# Altium PCB PuttPilot-Master.PcbDoc (part 2 of 2)
Units mm, origin at the board's own origin, x right, y up, seen from the top; angles counter-clockwise.
Board outline 150 x 80 mm, 4 copper layers (L01-SIG, L02-GND, L03-PWR, L04-SIG), stack 0.603 mm thick; 225 components, 120 nets, 597 pads, 726 vias.
Unrouted connection lines stored in the file: 140.
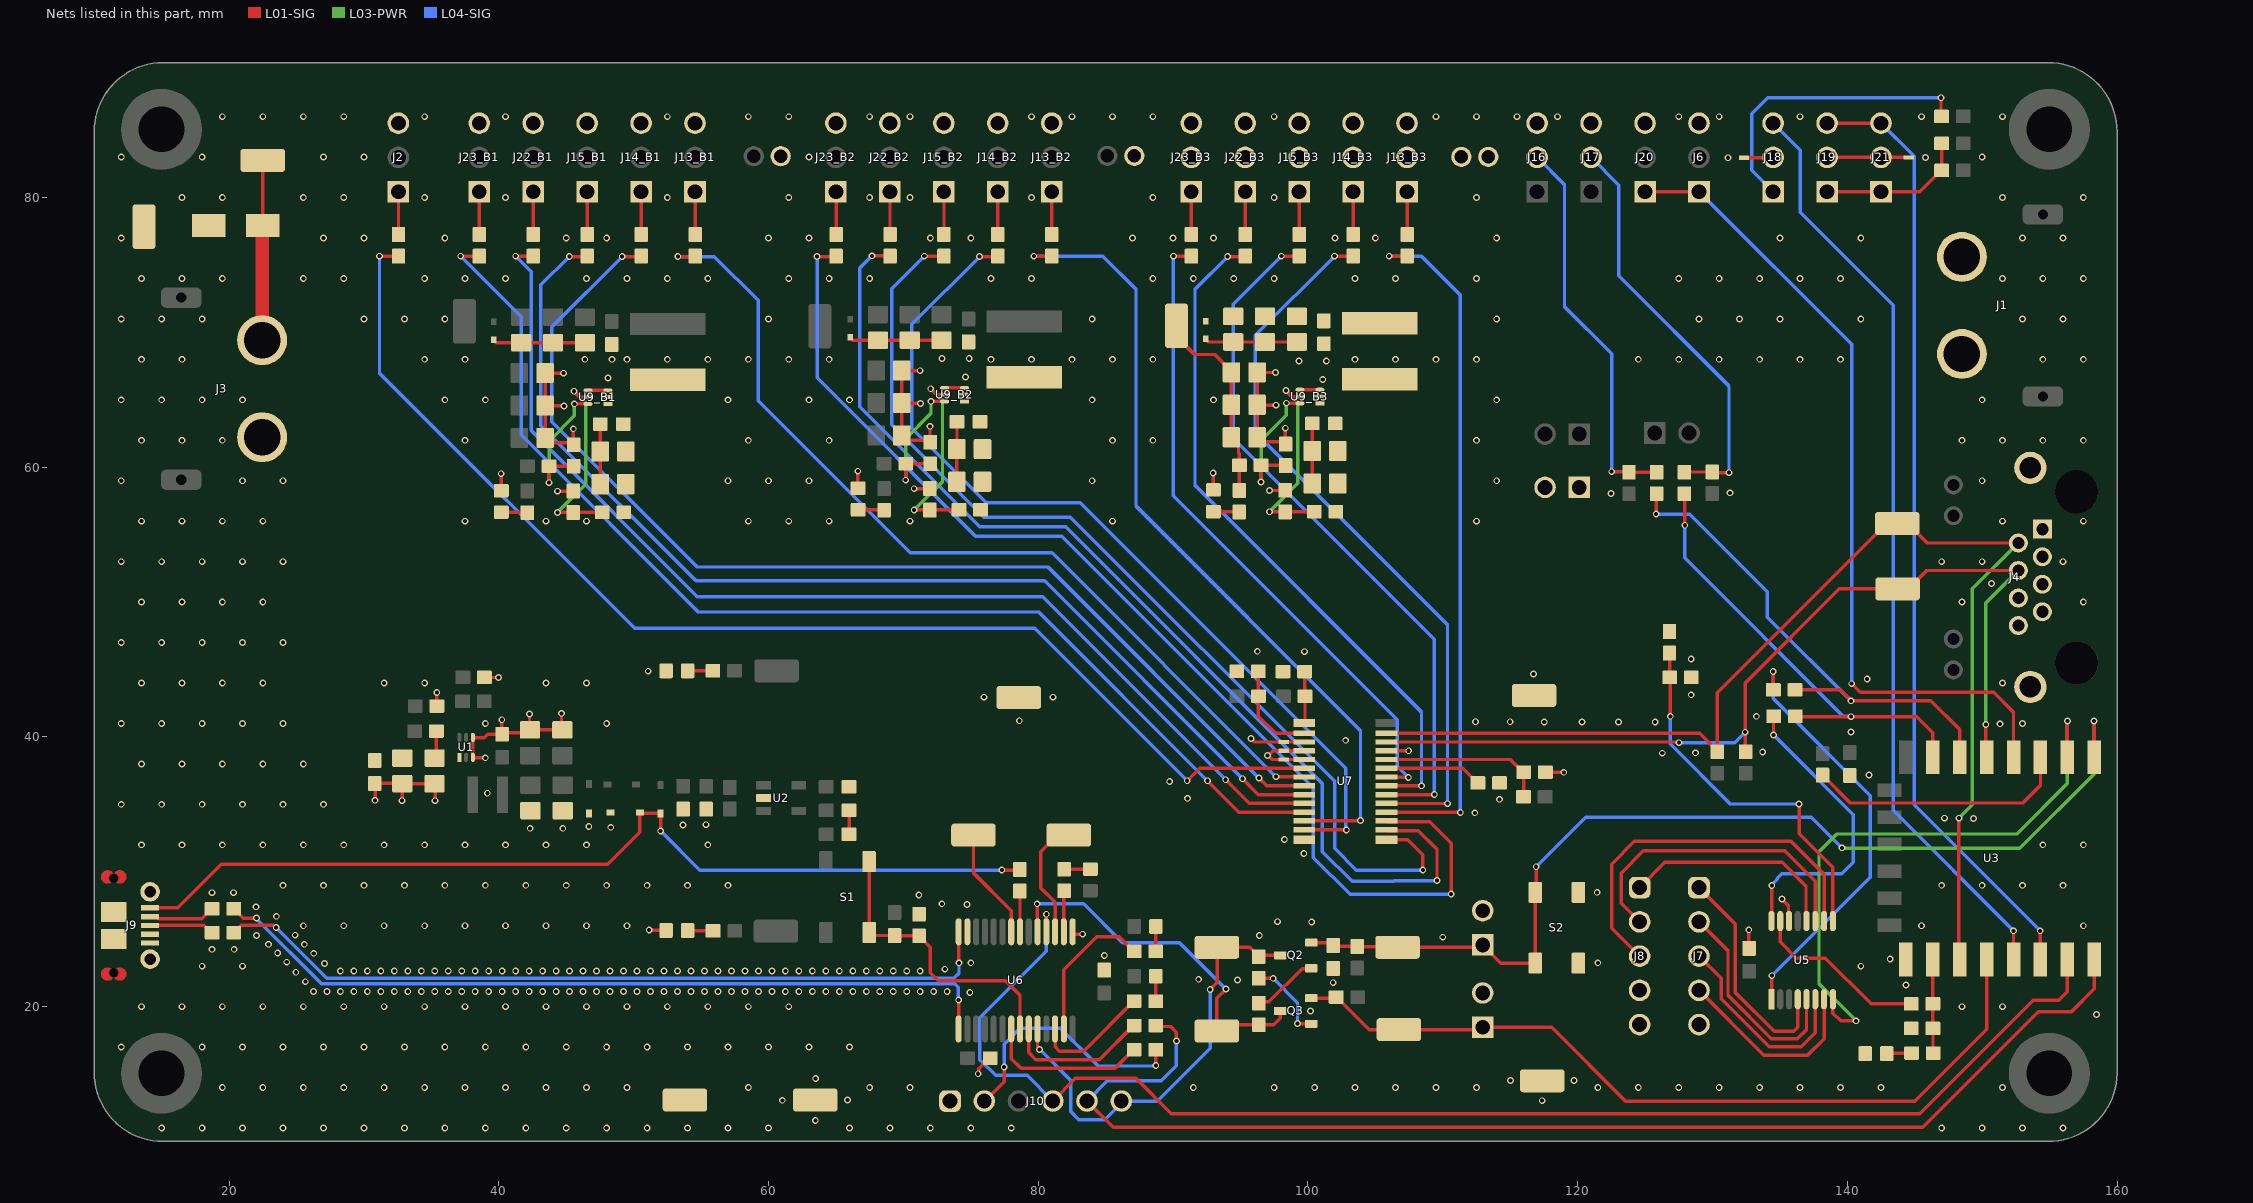
[diagram p4: the nets of this part, all layers, seen from the top]

## Via types
v1: diameter 0.5, hole 0.3, L01-SIG to L04-SIG, tented both sides, 726 vias

## Nets (pads, with @x,y where several pads share a name; then routed paths per layer and width w, separated by ;. In a path a pad name is that pad's centre, name@x,y a point inside that pad or via, vN(x,y) a via of type N, cw(c..) or ccw(c..) an arc to the next point about the centre after c; other vN are vias at no path point) (continued)
6V_BUS3: C23_B3.2 C24_B3.2 C25_B3.2 C26_B3.2 C27_B3.2 C28_B3.2 C29_B3.2 C30_B3.1 D29_B3.1 J13_B3.2 J14_B3.2 J15_B3.2 J22_B3.2 J23_B3.2 L2_B3.2 R66_B3.2 R68_B3.2 TP1_B3.1 | length 15.8
  L01-SIG w0.254: TP1_B3.1@90.254,70.121 TP1_B3.1@90.254,70.498 ; TP1_B3.1@90.254,70.875 TP1_B3.1@90.254,70.498 ; R66_B3.2@94.917,58.281 94.917,60.131 R68_B3.2@94.923,60.137 94.923,61.018 94.851,61.09 94.851,61.697 C29_B3.2@94.328,62.22 C28_B3.2@94.328,64.633 C27_B3.2@94.328,67.035 94.328,67.135 93.1,68.363 91.589,68.363 90.254,69.698 TP1_B3.1@90.254,70.498
6V_EN_B1: R67_B1.1 R69_B1.2 U9_B1.5 | length 14.8
  L01-SIG w0.254: v1(44.35,56.65) 45.506,56.65 R69_B1.2@45.517,56.639 45.533,56.655 R67_B1.1@47.67,56.655 ; v1(45.577,65.635) 46.017,65.195 U9_B1.5@46.609,65.195
  L03-PWR w0.254: v1(44.35,56.65) 46.45,58.75 46.45,64.762 v1(45.577,65.635)
6V_EN_B2: R67_B2.1 R69_B2.2 U9_B2.5 | length 14.8
  L01-SIG w0.254: v1(70.8,56.835) 71.956,56.835 R69_B2.2@71.967,56.824 71.983,56.84 R67_B2.1@74.12,56.84 ; v1(72.027,65.82) 72.467,65.38 U9_B2.5@73.059,65.38
  L03-PWR w0.254: v1(70.8,56.835) 72.9,58.935 72.9,64.947 v1(72.027,65.82)
6V_EN_B3: R67_B3.1 R69_B3.2 U9_B3.5 | length 14.8
  L01-SIG w0.254: v1(97.15,56.7) 98.306,56.7 R69_B3.2@98.317,56.689 98.333,56.705 R67_B3.1@100.47,56.705 ; v1(98.377,65.685) 98.817,65.245 U9_B3.5@99.409,65.245
  L03-PWR w0.254: v1(97.15,56.7) 99.25,58.8 99.25,64.812 v1(98.377,65.685)
6V_FB_B1: R68_B1.1 R70_B1.2 U9_B1.6 | length 10.6
  L01-SIG w0.254: v1(43.723,58.852) R68_B1.1@43.723,60.086 ; R68_B1.1@43.723,60.087 45.523,60.087 R70_B1.2@45.542,60.068 ; v1(45.6,64.7) 45.602,64.697 46.606,64.697 U9_B1.6@46.609,64.695
  L03-PWR w0.254: v1@43.725,58.9 43.725,61.942 45.6,63.817 v1(45.6,64.7)
6V_FB_B2: R68_B2.1 R70_B2.2 U9_B2.6 | length 10.6
  L01-SIG w0.254: v1(70.172,59.037) R68_B2.1@70.173,60.272 ; R68_B2.1@70.173,60.272 71.973,60.272 R70_B2.2@71.992,60.253 ; v1(72.05,64.885) 72.052,64.882 73.056,64.882 U9_B2.6@73.059,64.88
  L03-PWR w0.254: v1@70.175,59.085 70.175,62.127 72.05,64.002 v1(72.05,64.885)
6V_FB_B3: R68_B3.1 R70_B3.2 U9_B3.6 | length 10.6
  L01-SIG w0.254: v1(96.523,58.902) R68_B3.1@96.523,60.137 ; R68_B3.1@96.523,60.137 98.323,60.137 R70_B3.2@98.342,60.118 ; v1(98.4,64.75) 98.403,64.747 99.406,64.747 U9_B3.6@99.409,64.745
  L03-PWR w0.254: v1@96.525,58.95 96.525,61.992 98.4,63.867 v1(98.4,64.75)
6V_SW_B1: L2_B1.1 U9_B1.2
6V_SW_B2: L2_B2.1 U9_B2.2
6V_SW_B3: L2_B3.1 U9_B3.2
12V: 12V.1 C1.2 C2.2 C3.2 C20_B1.2 C20_B2.2 C20_B3.2 C21_B1.2 C21_B2.2 C21_B3.2 C22_B1.2 C22_B2.2 C22_B3.2 D1.2 J1.1 J3.1 R2.2 R9.2 R67_B1.2 R67_B2.2 R67_B3.2 U1.1 U9_B1.1 U9_B2.1 U9_B3.1 | length 15.2
  L01-SIG w0.254: 12V.1@22.495,82.755 22.495,77.93 D1.2@22.5,77.925 ; C1.2@35.239,38.43 35.368,38.559 R2.2@35.368,40.436
  L01-SIG w1.016: J3.1@22.45,69.425 D1.2@22.45,77.775
12V_VSENSE: R9.1 R16.2 U5.9 | length 27.8
  L01-SIG w0.254: R9.1@126.814,46.218 126.823,46.209 R16.2@126.823,44.473 ; R16.2@126.832,44.414 126.882,44.414 126.882,41.532 v1(126.875,41.525) ; v1(136.425,35.025) 136.425,32.825 138.925,30.325 U5.9@138.925,26.35
  L04-SIG w0.254: v1(126.875,41.525) 126.875,39.48 131.33,35.025 v1(136.425,35.025)
BALL_DEP_IN: J16.2 R21.1 R23.1 | length 28.9
  L01-SIG w0.254: v1(122.525,59.675) 123.768,59.675 R21.1@123.811,59.632 R23.1@125.861,59.632
  L04-SIG w0.254: J16.2@117,82.975 119.025,80.95 119.025,71.914 122.525,68.414 v1(122.525,59.675)
BALL_HOLE_NC: J18.1 R37.1 | length 22.4
  L01-SIG w0.254: v1(146.95,87.4) 146.95,86.054 R37.1@146.993,86.011
  L04-SIG w0.254: J18.1@134.5,80.435 132.925,82.01 132.925,86.225 134.1,87.4 v1(146.95,87.4)
BALL_HOLE_NO: J18.2 NT4.2 | length 1.9
  L01-SIG w0.254: NT4.2@132.659,82.95 134.475,82.95 J18.2@134.5,82.975
BALL_QUEUE_IN: J17.2 R22.1 R24.1 | length 31
  L01-SIG w0.254: R24.1@127.911,59.632 127.924,59.644 129.973,59.644 R22.1@129.986,59.657 130.043,59.6 v1(131.225,59.6)
  L04-SIG w0.254: J17.2@121,82.975 123.05,80.925 123.05,74.201 131.225,66.026 v1(131.225,59.6)
ESP_ADC: U3.2 U5.8 | length 44.5
  L01-SIG w0.254: U5.8@138.925,20.55 138.925,19.525 139.5,18.95 v1(140.65,18.95) ; U3.2@156.325,38.5 v1(156.325,41.175)
  L03-PWR w0.254: v1(140.65,18.95) 137.9,21.7 137.9,31.5 139.2,32.8 152.575,32.8 156.325,36.55 v1(156.325,41.175)
ESP_EN: R19.1 U3.3 | length 19.6
  L01-SIG w0.254: R19.1@138.164,37.168 140.232,35.1 153,35.1 154.325,36.425 U3.3@154.325,38.5
GND: C1.1 C2.1 C3.1 C4.1 C5.1 C6.1 C7.1 C8.1 C9.1 C10.1 C11.1 C12.1 C13.1 C14.1 C15.1 C16.1 C17.1 C18.1 C20_B1.1 C20_B2.1 C20_B3.1 C21_B1.1 C21_B2.1 C21_B3.1 C22_B1.1 C22_B2.1 C22_B3.1 C23_B1.1 C23_B2.1 C23_B3.1 C24_B1.1 C24_B2.1 C24_B3.1 C25_B1.1 C25_B2.1 C25_B3.1 C26_B1.1 C26_B2.1 C26_B3.1 C27_B1.1 C27_B2.1 C27_B3.1 C28_B1.1 C28_B2.1 C28_B3.1 C29_B1.1 C29_B2.1 C29_B3.1 C30_B1.2 C30_B2.2 C30_B3.2 D1.1 D2.1 D4.2 D5.2 D6.2 D12.1 D29_B1.2 D29_B2.2 D29_B3.2 D30_B1.2 D30_B2.2 D30_B3.2 GND1.1 GND2.1 GND3.1 GND4.1 GND5.1 GND6.1 J1.2 J2.3 J3.2 J4.1 J4.3 J4.5 J4.6 J4.7 J4.8 J4.SH1 J4.SH2 J6.3 J7.5 J8.4 J8.5 J9.5 J9.6 J9.7 J9.8 J9.9 J9.10 J9.11 J10.1 J11.2 J12.2 J13_B1.3 J13_B2.3 J13_B3.3 J14_B1.3 J14_B2.3 J14_B3.3 J15_B1.3 J15_B2.3 J15_B3.3 J16.3 J17.3 J20.3 J22_B1.3 J22_B2.3 J22_B3.3 J23_B1.3 J23_B2.3 J23_B3.3 J25.1 J25.2 NT1.1 NT2.1 NT3.1 NT4.1 NT5.1 R4.1 R5.1 R16.1 R17.1 R33.1 R36.1 R60.1 R61.1 R62.1 R69_B1.1 R69_B2.1 R69_B3.1 R70_B1.1 R70_B2.1 R70_B3.1 S2.3 S2.4 U1.3 U1.4 U2.2 U3.15 U5.14 U6.1 U6.13 U7.14 U7.25 U9_B1.3 U9_B1.4 U9_B2.3 U9_B2.4 U9_B3.3 U9_B3.4 | length 118.5
  L01-SIG w0.254: v1(30.825,35.3) 30.825,36.532 C3.1@30.805,36.552 32.817,36.552 C2.1@32.839,36.53 ; v1(32.825,35.275) 32.825,36.516 C2.1@32.839,36.53 ; v1(35.275,35.275) 35.275,36.494 C1.1@35.239,36.53 C2.1@32.839,36.53 ; v1(35.4,43.3) 35.4,42.296 R4.1@35.407,42.289 ; R5.1@38.932,44.414 38.94,44.406 v1(39.983,44.406) ; v1(39,38.45) 38.096,38.45 38.075,38.471 U1.3@38.075,38.485 U1.4@38.075,39.965 38.09,39.95 38.925,39.95 39.173,40.198 C4.1@40.245,40.198 ; D29_B1.2@39.613,69.471 39.613,69.431 39.807,69.238 C26_B1.1@46.384,69.238 ; v1(40.175,59.525) 40.175,58.275 D30_B1.2@40.187,58.263 ; v1(40.225,41.275) 40.225,40.218 C4.1@40.245,40.198 ; v1(42.275,41.7) 42.275,40.556 C7.1@42.311,40.52 ; C27_B1.1@43.428,66.985 43.438,66.975 v1(44.8,66.975) ; C27_B1.1@43.428,66.985 C28_B1.1@43.428,64.583 ; v1(44.35,58.225) 45.503,58.225 R69_B1.1@45.517,58.239 ; v1(44.65,41.75) 44.65,40.581 C8.1@44.711,40.52 C7.1@42.311,40.52 ; v1(44.825,64.55) 43.461,64.55 C28_B1.1@43.428,64.583 ; v1(45.525,62.85) 45.525,61.685 45.38,61.83 43.768,61.83 C29_B1.1@43.428,62.17 C28_B1.1@43.428,64.583 ; U9_B1.4@46.609,65.695 U9_B1.3@48.089,65.695 ; C20_B1.1@47.519,58.746 C21_B1.1@47.519,61.159 47.527,61.167 C22_B1.1@47.527,63.195 ; v1(51.15,25.675) 52.375,25.675 D5.2@52.4,25.65 ; C11.1@65.973,32.68 C12.1@65.973,34.48 ; D29_B2.2@66.063,69.656 66.063,69.616 66.257,69.423 C26_B2.1@72.834,69.423 ; v1(66.625,59.71) 66.625,58.46 D30_B2.2@66.637,58.448 ; v1(70.8,58.41) 71.953,58.41 R69_B2.1@71.967,58.424 ; v1(71.25,67.16) 69.888,67.16 C27_B2.1@69.878,67.17 C28_B2.1@69.878,64.768 ; v1(71.275,64.735) 69.911,64.735 C28_B2.1@69.878,64.768 ; v1(71.975,63.035) 71.975,61.87 71.83,62.015 70.218,62.015 C29_B2.1@69.878,62.355 C28_B2.1@69.878,64.768 ; U9_B2.4@73.059,65.88 U9_B2.3@74.539,65.88 ; C20_B2.1@73.969,58.931 C21_B2.1@73.969,61.344 73.977,61.352 C22_B2.1@73.977,63.38 ; v1(75.55,15.025) 75.597,15.072 75.597,15.379 76.398,16.18 C18.1@76.448,16.18 ; C18.1@76.082,16.007 76.455,16.38 C18.1@76.473,16.38 ; U6.1@82.55,25.355 82.57,25.375 v1(83.3,25.375) ; D29_B3.2@92.413,69.521 92.413,69.481 92.607,69.288 C26_B3.1@99.184,69.288 ; v1(92.975,59.575) 92.975,58.325 D30_B3.2@92.987,58.313 ; v1(95.773,39.877) 95.793,39.877 96.045,39.625 NT1.1@97.875,39.625 ; v1(97,38.625) v1@97.067,38.625 ; v1(97.15,58.275) 98.303,58.275 R69_B3.1@98.317,58.289 ; v1(97.6,67.025) 96.238,67.025 C27_B3.1@96.228,67.035 C28_B3.1@96.228,64.633 ; v1(97.625,64.6) 96.261,64.6 C28_B3.1@96.228,64.633 ; NT2.1@97.879,38.975 97.417,38.975 v1@97.067,38.625 ; NT3.1@97.902,38.325 97.367,38.325 v1@97.067,38.625 ; v1(98.325,62.9) 98.325,61.735 98.18,61.88 96.568,61.88 C29_B3.1@96.228,62.22 C28_B3.1@96.228,64.633 ; U9_B3.4@99.409,65.745 U9_B3.3@100.889,65.745 ; C20_B3.1@100.319,58.796 C21_B3.1@100.319,61.209 100.327,61.217 C22_B3.1@100.327,63.245 ; U7.25@105.825,38.976 v1@107.475,38.975 ; R62.1@117.607,37.389 117.621,37.375 v1(118.975,37.375) ; v1(132.7,25.7) 132.7,24.343 C15.1@132.72,24.323 ; v1(135.15,27.975) 135.637,27.488 135.637,26.388 U5.14@135.675,26.35 ; C4.1@40.245,40.198 40.367,40.32 42.111,40.32 C7.1@42.311,40.52
  other v1: 15,11 18,11 21,11 24,11 27,11 30,11 33,11 36,11 39,11 42,11 45,11 48,11 51,11 54,11 57,11 60,11 66,11 69,11 72,11 75,11 78,11 147,11 150,11 153,11 156,11 63.475,11.55 117.375,13.025 61.025,13.05 65.85,13.075 19.5,14 22.5,14 25.5,14 28.5,14 31.5,14 34.5,14 37.5,14 40.5,14 43.5,14 46.5,14 49.5,14 58.5,14 67.5,14 70.5,14 91.5,14 97.5,14 100.5,14 103.5,14 106.5,14 109.5,14 112.5,14 121.5,14 124.5,14 127.5,14 130.5,14 133.5,14 136.5,14 139.5,14 142.5,14 151.5,14 115.025,14.525 119.725,14.525 63.5,14.675 12,17 18,17 21,17 24,17 27,17 30,17 33,17 36,17 39,17 42,17 45,17 48,17 51,17 54,17 57,17 60,17 63,17 66,17 158.475,19.425 100.2,19.675 13.5,20 16.5,20 19.5,20 22.5,20 25.5,20 28.5,20 31.5,20 34.5,20 37.5,20 40.5,20 43.5,20 46.5,20 49.5,20 52.5,20 55.5,20 58.5,20 61.5,20 148.5,20 151.5,20 74.925,21.05 26.25,21.125 27.25,21.125 28.25,21.125 29.25,21.125 30.25,21.125 31.25,21.125 32.25,21.125 33.25,21.125 34.25,21.125 35.25,21.125 36.25,21.125 37.25,21.125 38.25,21.125 39.25,21.125 40.25,21.125 41.25,21.125 42.25,21.125 43.25,21.125 44.25,21.125 45.25,21.125 46.25,21.125 47.25,21.125 48.25,21.125 49.25,21.125 50.25,21.125 51.25,21.125 52.25,21.125 53.25,21.125 54.25,21.125 55.25,21.125 56.25,21.125 57.25,21.125 58.25,21.125 59.25,21.125 60.25,21.125 61.25,21.125 62.25,21.125 63.25,21.125 64.25,21.125 65.25,21.125 66.25,21.125 67.25,21.125 68.25,21.125 69.25,21.125 70.25,21.125 71.25,21.125 72.25,21.125 73.25,21.125 144.35,21.6 101.875,21.775 25.65,21.85 94.775,21.975 91.9,22.025 24.95,22.55 28.25,22.65 29.25,22.65 30.25,22.65 31.25,22.65 32.25,22.65 33.25,22.65 34.25,22.65 35.25,22.65 36.25,22.65 37.25,22.65 38.25,22.65 39.25,22.65 40.25,22.65 41.25,22.65 42.25,22.65 43.25,22.65 44.25,22.65 45.25,22.65 46.25,22.65 47.25,22.65 48.25,22.65 49.25,22.65 50.25,22.65 51.25,22.65 52.25,22.65 53.25,22.65 54.25,22.65 55.25,22.65 56.25,22.65 57.25,22.65 58.25,22.65 59.25,22.65 60.25,22.65 61.25,22.65 62.25,22.65 63.25,22.65 64.25,22.65 65.25,22.65 66.25,22.65 67.25,22.65 68.25,22.65 69.25,22.65 70.25,22.65 71.25,22.65 73.075,22.775 18,23 21,23 141,23 27.075,23.2 75,23.25 121.5,23.25 24.275,23.3 143.175,23.525 84.9,23.8 26.275,23.95 23.6,23.975 18.725,24.25 20.375,24.25 22.925,24.625 25.575,24.625 110,25.15 22.025,25.275 96.4,25.275 24.9,25.3 25.5,26 28.5,26 31.5,26 34.5,26 37.5,26 40.5,26 43.5,26 46.5,26 49.5,26 145.5,26 157.5,26 100.275,26.275 97.75,26.3 23.5,26.7 22,27.4 74.725,27.575 72.85,27.625 71.15,28.275 18.725,28.45 20.325,28.45 121.45,28.475 24,29 27,29 30,29 33,29 36,29 39,29 42,29 45,29 48,29 51,29 54,29 57,29 147,29 150,29 153,29 156,29 99.7,31.35 13.5,32 16.5,32 19.5,32 22.5,32 25.5,32 28.5,32 31.5,32 34.5,32 37.5,32 40.5,32 43.5,32 46.5,32 55.5,32 154.5,32 157.5,32 98.25,32.4 42.325,33.225 44.75,33.225 48.3,33.3 46.675,33.35 53.665,33.47 55.365,33.495 149.35,33.95 147.2,33.975 112.375,34.375 12,35 15,35 18,35 21,35 24,35 27,35 114.2,35.375 91.075,35.45 39.15,35.825 89.75,36.7 141.6,37.175 13.5,38 16.5,38 19.5,38 22.5,38 25.5,38 126.275,38.8 128.75,38.825 133.725,38.875 107.475,38.975 102.8,39.75 140.275,40.375 151.325,40.975 12,41 15,41 18,41 21,41 24,41 39,41 48,41 153,41 117.525,41.1 120.325,41.1 123.025,41.1 125.75,41.1 112.425,41.125 115,41.125 78.6,41.2 133.25,41.525 75.975,42.95 81.1,42.95 128.425,43.125 13.5,44 16.5,44 19.5,44 22.5,44 31.5,44 34.5,44 43.5,44 46.5,44 151.5,44 141.475,44.3 116.725,44.675 51.075,44.875 128.425,45.775 99.75,46.325 96.25,46.35 12,47 15,47 18,47 21,47 24,47 13.5,50 16.5,50 19.5,50 22.5,50 148.5,50 157.5,50 150.7,51.375 12,53 15,53 18,53 21,53 24,53 147,53 150,53 156,53 13.5,56 16.5,56 19.5,56 22.5,56 37.5,56 43.5,56 46.5,56 58.5,56 61.5,56 64.5,56 70.5,56 85.5,56 112.5,56 151.5,56 157.5,56 122.475,58.05 131.3,58.1 12,59 21,59 24,59 57,59 60,59 63,59 84,59 114,59 150,59 13.5,62 16.5,62 19.5,62 37.5,62 58.5,62 64.5,62 85.5,62 88.5,62 112.5,62 148.5,62 151.5,62 154.5,62 157.5,62 12,65 15,65 18,65 21,65 36,65 39,65 57,65 63,65 66,65 84,65 93,65 114,65 150,65 101.1,66.5 48.1,66.625 74.6,66.685 99.338,67.88 101.363,67.88 13.5,68 16.5,68 34.5,68 37.5,68 46.375,68 48.4,68 49.5,68 52.5,68 55.5,68 58.5,68 61.5,68 64.5,68 76.5,68 79.5,68 82.5,68 85.5,68 88.5,68 103.5,68 106.5,68 109.5,68 112.5,68 124.5,68 127.5,68 130.5,68 133.5,68 136.5,68 139.5,68 154.5,68 157.5,68 72.859,68.065 74.884,68.065 12,71 15,71 18,71 30,71 33,71 36,71 60,71 84,71 114,71 129,71 132,71 135,71 141,71 153,71 156,71 13.5,74 16.5,74 19.5,74 25.5,74 28.5,74 34.5,74 37.5,74 40.5,74 46.5,74 49.5,74 52.5,74 55.5,74 61.5,74 64.5,74 67.5,74 76.5,74 79.5,74 88.5,74 91.5,74 94.5,74 97.5,74 103.5,74 106.5,74 112.5,74 127.5,74 130.5,74 133.5,74 136.5,74 139.5,74 151.5,74 154.5,74 157.5,74 12,77 27,77 30,77 36,77 45,77 48,77 60,77 63,77 72,77 75,77 87,77 90,77 93,77 102,77 105,77 114,77 135,77 141,77 153,77 156,77 16.5,80 19.5,80 25.5,80 28.5,80 34.5,80 40.5,80 52.5,80 61.5,80 67.5,80 70.5,80 79.5,80 88.5,80 97.5,80 112.5,80 151.5,80 157.5,80 131.15,82.95 145.8,82.975 12,83 18,83 27,83 30,83 63,83 150,83 19.5,86 22.5,86 25.5,86 28.5,86 34.5,86 40.5,86 52.5,86 58.5,86 61.5,86 67.5,86 70.5,86 79.5,86 82.5,86 85.5,86 88.5,86 97.5,86 109.5,86 112.5,86 115.5,86 118.5,86 127.5,86 130.5,86 136.5,86 145.5,86 151.5,86
GPIO0: GPIO0.1 J11.1 Q3.2 R20.1 U3.18 | length 60.8
  L01-SIG w0.254: Q3.2@100.246,20.627 102.009,20.627 R20.1@102.093,20.711 102.143,20.711 104.554,18.3 GPIO0.1@106.75,18.3 112.785,18.3 J11.1@112.96,18.475 118.075,18.475 123.55,13 145,13 150.325,18.325 U3.18@150.325,23.5
GPIO4: J18.3 U3.19 | length 69.4
  L01-SIG w0.254: U3.19@152.325,23.5 v1(152.325,25.625)
  L04-SIG w0.254: J18.3@134.5,85.515 136.5,83.515 136.5,78.9 143.4,72 143.4,34.55 v1(152.325,25.625)
GPIO5: J19.3 J21.3 U3.20 | length 70.9
  L01-SIG w0.254: J19.3@138.5,85.515 J21.3@142.5,85.515 ; v1(154.3,25.625) 154.3,23.525 U3.20@154.325,23.5
  L04-SIG w0.254: J21.3@142.5,85.515 144.95,83.065 144.95,34.975 v1(154.3,25.625)
GPIO12: R11.2 R23.2 U3.6 | length 38.3
  L01-SIG w0.254: v1(125.825,56.525) 125.825,57.996 R23.2@125.861,58.032 ; R11.2@136.118,43.486 139.464,43.486 v1(140.275,42.675) 146.2,42.675 148.325,40.55 U3.6@148.325,38.5
  L04-SIG w0.254: v1(125.825,56.525) 128.3,56.525 134.073,50.752 134.073,48.877 v1(140.275,42.675)
GPIO13: R12.2 R24.2 U3.7 | length 34.5
  L01-SIG w0.254: R24.2@127.911,58.032 127.95,57.993 v1(127.95,55.7) ; R12.2@136.143,41.536 136.179,41.5 v1(140.275,41.5) 145.15,41.5 146.325,40.325 U3.7@146.325,38.5
  L04-SIG w0.254: v1(127.95,55.7) 127.95,53.275 139.678,41.547 140.228,41.547 v1(140.275,41.5)
GPIO15: R10.2 R15.2 R17.2 U3.16 | length 7
  L01-SIG w0.254: U3.16@146.293,23.468 U3.16@146.325,23.5 146.343,23.482 R15.2@146.343,20.211 R17.2@146.343,18.386 146.356,18.373 146.356,16.573 R10.2@146.368,16.561
GPIO16: J6.1 J20.1 U3.4 | length 61.4
  L01-SIG w0.254: J20.1@125,80.435 J6.1@129,80.435 ; v1(140.325,43.95) 140.975,43.3 150.85,43.3 152.325,41.825 U3.4@152.325,38.5
  L04-SIG w0.254: J6.1@129,80.435 140.325,69.11 v1(140.325,43.95)
GUTTER_NC: J19.1 J21.1 R38.1 R40.1 | length 11.1
  L01-SIG w0.254: J19.1@138.5,80.435 J21.1@142.5,80.435 145.367,80.435 146.993,82.061 R38.1@146.993,84.011
GUTTER_NO: J19.2 J21.2 NT5.2 | length 5.7
  L01-SIG w0.254: J19.2@138.5,82.975 J21.2@142.5,82.975 NT5.2@144.238,82.975
I2C_PWM_A0: R54.1 R60.2 U7.1 | length 3.9
  L01-SIG w0.254: R60.2@99.75,44.85 99.766,44.834 99.766,43.03 R54.1@99.782,43.014 99.782,41.095 U7.1@99.851,41.026
I2C_PWM_A1: R55.1 R61.2 U7.2 | length 7.4
  L01-SIG w0.254: R61.2@96.318,44.861 96.325,44.854 96.325,43.021 R55.1@96.332,43.014 96.332,41.543 97.599,40.276 U7.2@99.851,40.276
I2C_PWM_A2: NT1.2 U7.3 | length 1.3
  L01-SIG w0.254: NT1.2@98.518,39.626 U7.3@99.851,39.626
I2C_PWM_A3: NT2.2 U7.4 | length 1.3
  L01-SIG w0.254: NT2.2@98.511,38.976 U7.4@99.851,38.976
I2C_PWM_A4: NT3.2 U7.5 | length 1.3
  L01-SIG w0.254: NT3.2@98.511,38.326 U7.5@99.851,38.326
I2C_PWM_A5: R56.1 R62.2 U7.24 | length 12.4
  L01-SIG w0.254: U7.24@105.825,38.326 115.02,38.326 115.957,37.389 R62.2@116.007,37.389 116,37.382 116,35.568 R56.1@115.993,35.561
I2C_SCL: I2.1 J4.4 R14.1 U3.5 U7.26 | length 70.6
  L01-SIG w0.254: U7.26@105.825,39.626 127.408,39.626 127.458,39.575 v1(127.525,39.575) ; R14.1@132.461,38.907 132.425,38.943 v1(132.425,40.35) 132.425,44 139.4,50.975 I2.1@143.725,50.975 144.525,50.975 145.893,52.343 J4.4@152.683,52.343 ; v1(150.275,40.925) 150.275,38.55 U3.5@150.325,38.5
  L03-PWR w0.254: v1(150.275,40.925) 150.275,49.935 J4.4@152.683,52.343
  L04-SIG w0.254: v1(127.525,39.575) 131.65,39.575 v1(132.425,40.35)
I2C_SDA: I1.1 J4.2 R13.1 U3.17 U7.27 | length 90.4
  L01-SIG w0.254: U7.27@105.825,40.276 129.042,40.276 130.361,38.957 R13.1@130.361,38.907 130.361,43.286 142.9,55.825 I1.1@143.7,55.825 144.475,55.825 145.917,54.383 J4.2@152.683,54.383 ; v1(148.275,33.975) 148.275,23.55 U3.17@148.325,23.5
  L03-PWR w0.254: v1(148.275,33.975) 149.275,34.975 149.275,50.975 J4.2@152.683,54.383
MUX_IN1: J7.1 U5.4 | length 16.9
  L01-SIG w0.254: J7.1@129,28.83 131.7,26.13 131.7,21.05 134.575,18.175 136.025,18.175 136.325,18.475 U5.4@136.325,20.55
MUX_IN2: J7.2 U5.5 | length 16
  L01-SIG w0.254: J7.2@129,26.29 131.15,24.14 131.15,20.85 134.375,17.625 136.3,17.625 136.975,18.3 U5.5@136.975,20.55
MUX_IN3: J7.3 U5.6 | length 15.2
  L01-SIG w0.254: J7.3@129,23.75 130.65,22.1 130.65,20.6 134.225,17.025 136.6,17.025 137.625,18.05 U5.6@137.625,20.55
MUX_IN4: J7.4 U5.7 | length 14.7
  L01-SIG w0.254: J7.4@129,21.21 133.81,16.4 137.05,16.4 138.275,17.625 U5.7@138.275,20.55
MUX_IN5: J8.1 U5.12 | length 16.4
  L01-SIG w0.254: J8.1@124.6,28.83 126.47,30.7 135.175,30.7 136.937,28.938 136.937,26.388 U5.12@136.975,26.35
MUX_IN6: J8.2 U5.11 | length 23.1
  L01-SIG w0.254: J8.2@124.6,26.29 123.225,27.665 123.225,29.9 124.875,31.55 135.375,31.55 137.625,29.3 U5.11@137.625,26.35
MUX_IN7: J8.3 U5.10 | length 28.6
  L01-SIG w0.254: J8.3@124.6,23.75 122.525,25.825 122.525,30.575 124.2,32.25 135.825,32.25 138.275,29.8 U5.10@138.275,26.35
nEN_IC_PWM: R36.2 U7.23 | length 7.2
  L01-SIG w0.254: U7.23@105.825,37.676 111.47,37.676 112.557,36.589 R36.2@112.607,36.589
NetD4_1: D4.1 R6.1 | length 1.9
  L01-SIG w0.254: D4.1@54,44.9 54.011,44.911 R6.1@55.868,44.911
NetD5_1: D5.1 R7.1 | length 1.9
  L01-SIG w0.254: D5.1@54,25.65 54.027,25.623 55.891,25.623 R7.1@55.893,25.621
NetD6_1: D6.1 R10.1 | length 1.9
  L01-SIG w0.254: D6.1@142.925,16.515 142.96,16.551 144.758,16.551 R10.1@144.768,16.561
NetD9_2: D9.2 R26.2 | length 1.9
  L01-SIG w0.254: R26.2@88.718,24.101 88.725,24.108 D9.2@88.725,25.95
NetD10_2: D10.2 R27.2 | length 1.9
  L01-SIG w0.254: R27.2@88.718,20.401 88.725,20.408 D10.2@88.725,22.25
NetD11_2: D11.2 R28.2 | length 2
  L01-SIG w0.254: R28.2@81.914,30.193 81.921,30.2 D11.2@83.865,30.2
NetD30_B1_1: D30_B1.1 R66_B1.1 | length 1.9
  L01-SIG w0.254: D30_B1.1@40.187,56.663 42.085,56.663 R66_B1.1@42.117,56.631
NetD30_B2_1: D30_B2.1 R66_B2.1 | length 1.9
  L01-SIG w0.254: D30_B2.1@66.637,56.848 68.535,56.848 R66_B2.1@68.567,56.816
NetD30_B3_1: D30_B3.1 R66_B3.1 | length 1.9
  L01-SIG w0.254: D30_B3.1@92.987,56.713 94.885,56.713 R66_B3.1@94.917,56.681
NetQ2_1: Q2.1 R34.1 | length 5
  L01-SIG w0.254: R34.1@96.361,20.257 96.452,20.348 97.093,20.348 99.568,22.823 100.223,22.823 Q2.1@100.25,22.85
NetQ3_1: Q3.1 R35.1 | length 6.2
  L01-SIG w0.254: R35.1@96.35,22.1 v1(97.425,22.1) ; v1(99.225,18.75) 99.237,18.738 100.234,18.738 Q3.1@100.246,18.727
  L04-SIG w0.254: v1(97.425,22.1) 99.225,20.3 v1(99.225,18.75)
NetR11_1: R11.1 U5.1 | length 31.7
  L01-SIG w0.254: U5.1@134.375,20.55 134.387,20.563 134.387,22.287 v1(134.4,22.3) ; v1(134.5,44.85) 134.5,43.504 R11.1@134.518,43.486
  L04-SIG w0.254: v1(134.4,22.3) 141.7,29.6 141.7,35.65 134.5,42.85 v1(134.5,44.85)
NetR12_1: R12.1 U5.16 | length 22.8
  L01-SIG w0.254: U5.16@134.375,26.35 134.387,26.363 134.387,28.962 v1(134.4,28.975) ; v1(134.525,40.15) 134.525,41.518 R12.1@134.543,41.536
  L04-SIG w0.254: v1(134.4,28.975) 134.4,29.042 134.806,29.448 134.806,29.531 135.125,29.85 139.6,29.85 140.45,30.7 140.45,34.225 v1(134.525,40.15)
NetR15_1: R15.1 U5.15 | length 13.2
  L01-SIG w0.254: U5.15@135.025,26.35 135.025,24.8 136.225,23.6 138.375,23.6 141.764,20.211 R15.1@144.743,20.211
NRST: C16.2 J12.1 NRST.1 Q2.2 R18.1 S2.1 S2.2 U3.1 | length 77.3
  L01-SIG w0.254: Q2.2@100.25,24.75 101.657,24.75 C16.2@101.88,24.527 101.915,24.492 103.626,24.492 R18.1@103.661,24.457 106.593,24.457 NRST.1@106.65,24.4 112.785,24.4 J12.1@112.96,24.575 114.31,23.225 S2.1@116.86,23.225 S2.2@116.86,28.475 116.925,28.54 v1(116.925,30.375) ; v1(158.3,41.175) 158.3,38.525 U3.1@158.325,38.5
  L03-PWR w0.254: v1(139.6,31.775) 139.625,31.75 152.8,31.75 158.3,37.25 v1(158.3,41.175)
  L04-SIG w0.254: v1(116.925,30.375) 120.6,34.05 137.325,34.05 v1(139.6,31.775)
RX_LED: R26.1 U6.27 | length 10.9
  L01-SIG w0.254: U6.27@81.9,18.555 81.9,22.75 84.325,25.175 85.994,25.175 87.068,24.101 R26.1@87.118,24.101
SERVO_PWM_0: R1.2 U7.6 | length 91.7
  L01-SIG w0.254: v1(31.15,75.65) 32.554,75.65 R1.2@32.561,75.657 ; v1(91.05,36.75) 91.976,37.676 U7.6@99.851,37.676
  L04-SIG w0.254: v1(31.15,75.65) 31.15,66.975 50.075,48.05 79.75,48.05 v1(91.05,36.75)
SERVO_PWM_0_OUT: J2.1 R1.1 | length 3.2
  L01-SIG w0.254: J2.1@32.55,80.435 32.561,80.424 R1.1@32.561,77.257
SERVO_PWM_1_1: R71_B1.2 U7.7 | length 68.2
  L01-SIG w0.254: v1(53.275,75.625) 54.529,75.625 R71_B1.2@54.561,75.657 ; v1(97.625,37.05) 97.637,37.038 99.839,37.038 U7.7@99.851,37.026
  L04-SIG w0.254: v1(53.275,75.625) 55.975,75.625 59.225,72.375 59.225,64.925 70.5,53.65 81.025,53.65 v1(97.625,37.05)
SERVO_PWM_1_2: R71_B2.2 U7.12 | length 60.4
  L01-SIG w0.254: v1(79.675,75.65) 81.004,75.65 R71_B2.2@81.011,75.657 ; U7.12@99.725,33.776 99.737,33.788 103.888,33.788 v1(103.9,33.8) ; U7.12@99.851,33.776 U7.12@99.864,33.763
  L04-SIG w0.254: v1(79.675,75.65) 84.8,75.65 87.25,73.2 87.25,57.125 103.9,40.475 v1(103.9,33.8)
SERVO_PWM_1_3: R71_B3.2 U7.18 | length 51.7
  L01-SIG w0.254: U7.18@105.825,34.426 105.838,34.413 111.287,34.413 v1(111.3,34.4) ; v1(106.025,75.65) 107.354,75.65 R71_B3.2@107.361,75.657
  L04-SIG w0.254: v1(106.025,75.65) 108.425,75.65 111.3,72.775 v1(111.3,34.4)
SERVO_PWM_1_OUT_B1: J13_B1.1 R71_B1.1 | length 3.2
  L01-SIG w0.254: J13_B1.1@54.55,80.435 54.561,80.424 R71_B1.1@54.561,77.257
SERVO_PWM_1_OUT_B2: J13_B2.1 R71_B2.1 | length 3.4
  L01-SIG w0.254: J13_B2.1@81,80.62 81.011,80.609 R71_B2.1@81.011,77.257
SERVO_PWM_1_OUT_B3: J13_B3.1 R71_B3.1 | length 3.2
  L01-SIG w0.254: J13_B3.1@107.35,80.485 107.361,80.474 R71_B3.1@107.361,77.257
SERVO_PWM_2_1: R72_B1.2 U7.8 | length 82.9
  L01-SIG w0.254: v1(49.15,75.625) 50.529,75.625 R72_B1.2@50.561,75.657 ; v1(96.375,36.95) 96.949,36.376 U7.8@99.851,36.376
  L04-SIG w0.254: v1(49.15,75.625) 43.925,70.4 43.925,63.375 54.7,52.6 80.725,52.6 v1(96.375,36.95)
SERVO_PWM_2_2: R72_B2.2 U7.13 | length 66.5
  L01-SIG w0.254: v1(75.65,75.625) 76.979,75.625 R72_B2.2@77.011,75.657 ; U7.13@99.725,33.126 99.738,33.113 102.837,33.113 v1(102.85,33.1)
  L04-SIG w0.254: v1(75.65,75.625) 70.625,70.6 70.625,62.9 76.15,57.375 83.12,57.375 98.727,41.768 102.803,37.692 102.803,33.147 v1(102.85,33.1)
SERVO_PWM_2_3: R72_B3.2 U7.19 | length 54.9
  L01-SIG w0.254: v1(101.975,75.65) 103.354,75.65 R72_B3.2@103.361,75.657 ; U7.19@105.825,35.076 105.838,35.063 110.337,35.063 v1(110.35,35.05)
  L04-SIG w0.254: v1(101.975,75.65) 96.1,69.775 96.1,62.575 110.35,48.325 v1(110.35,35.05)
SERVO_PWM_2_OUT_B1: J14_B1.1 R72_B1.1 | length 3.2
  L01-SIG w0.254: J14_B1.1@50.55,80.435 50.561,80.424 R72_B1.1@50.561,77.257
SERVO_PWM_2_OUT_B2: J14_B2.1 R72_B2.1 | length 3.4
  L01-SIG w0.254: J14_B2.1@77,80.62 77.011,80.609 R72_B2.1@77.011,77.257
SERVO_PWM_2_OUT_B3: J14_B3.1 R72_B3.1 | length 3.2
  L01-SIG w0.254: J14_B3.1@103.35,80.485 103.361,80.474 R72_B3.1@103.361,77.257
SERVO_PWM_3_1: R73_B1.2 U7.9 | length 82.8
  L01-SIG w0.254: v1(45.225,75.625) 46.529,75.625 R73_B1.2@46.561,75.657 ; v1(95.15,36.9) 96.324,35.726 U7.9@99.851,35.726
  L04-SIG w0.254: v1(45.225,75.625) 43.125,73.525 43.125,63.075 54.625,51.575 80.475,51.575 v1(95.15,36.9)
SERVO_PWM_3_2: R73_B2.2 U7.15 | length 75.2
  L01-SIG w0.254: v1(71.55,75.65) 73.004,75.65 R73_B2.2@73.011,75.657 ; U7.15@105.825,32.376 107.399,32.376 108.525,31.25 v1(108.525,30.125)
  L04-SIG w0.254: v1(71.55,75.65) 69.125,73.225 69.125,63.15 75.975,56.3 82.375,56.3 101.975,36.7 101.975,31.75 103.6,30.125 v1(108.525,30.125)
SERVO_PWM_3_3: R73_B3.2 U7.20 | length 52.5
  L01-SIG w0.254: v1(98.025,75.65) 99.354,75.65 R73_B3.2@99.361,75.657 ; U7.20@105.825,35.725 v1@109.375,35.725
  L04-SIG w0.254: v1(98.025,75.65) 94.475,72.1 94.475,62.15 109.375,47.25 v1(109.375,35.725)
SERVO_PWM_3_OUT_B1: J15_B1.1 R73_B1.1 | length 3.2
  L01-SIG w0.254: J15_B1.1@46.55,80.435 46.561,80.424 R73_B1.1@46.561,77.257
SERVO_PWM_3_OUT_B2: J15_B2.1 R73_B2.1 | length 3.4
  L01-SIG w0.254: J15_B2.1@73,80.62 73.011,80.609 R73_B2.1@73.011,77.257
SERVO_PWM_3_OUT_B3: J15_B3.1 R73_B3.1 | length 3.2
  L01-SIG w0.254: J15_B3.1@99.35,80.485 99.361,80.474 R73_B3.1@99.361,77.257
SERVO_PWM_4_1: R74_B1.2 U7.10 | length 83.6
  L01-SIG w0.254: v1(41.25,75.65) 42.554,75.65 R74_B1.2@42.561,75.657 ; v1(93.9,36.825) 95.649,35.076 U7.10@99.851,35.076
  L04-SIG w0.254: v1(41.25,75.65) 42.4,74.5 42.4,62.725 54.725,50.4 80.325,50.4 v1(93.9,36.825)
SERVO_PWM_4_2: R74_B2.2 U7.16 | length 79.9
  L01-SIG w0.254: v1(67.675,75.675) 68.993,75.675 R74_B2.2@69.011,75.657 ; U7.16@105.825,33.126 105.898,33.053 108.197,33.053 109.575,31.675 v1(109.575,29.35)
  L04-SIG w0.254: v1(67.675,75.675) 66.775,74.775 66.775,64.475 75.675,55.575 82.05,55.575 101.075,36.55 101.075,31.5 103.275,29.3 106.367,29.3 106.417,29.35 v1(109.575,29.35)
SERVO_PWM_4_3: R74_B3.2 U7.21 | length 51.1
  L01-SIG w0.254: v1(94.05,75.625) 95.329,75.625 R74_B3.2@95.361,75.657 ; U7.21@105.825,36.376 v1@108.425,36.375
  L04-SIG w0.254: v1(94.05,75.625) 91.625,73.2 91.625,58.65 108.425,41.85 v1(108.425,36.375)
SERVO_PWM_4_OUT_B1: J22_B1.1 R74_B1.1 | length 3.2
  L01-SIG w0.254: J22_B1.1@42.55,80.435 42.561,80.424 R74_B1.1@42.561,77.257
SERVO_PWM_4_OUT_B2: J22_B2.1 R74_B2.1 | length 3.4
  L01-SIG w0.254: J22_B2.1@69,80.62 69.011,80.609 R74_B2.1@69.011,77.257
SERVO_PWM_4_OUT_B3: J22_B3.1 R74_B3.1 | length 3.2
  L01-SIG w0.254: J22_B3.1@95.35,80.485 95.361,80.474 R74_B3.1@95.361,77.257
SERVO_PWM_5_1: R75_B1.2 U7.11 | length 86.3
  L01-SIG w0.254: v1(37.175,75.65) 38.554,75.65 R75_B1.2@38.561,75.657 ; v1(92.55,36.75) 94.874,34.426 U7.11@99.851,34.426
  L04-SIG w0.254: v1(37.175,75.65) 41.65,71.175 41.65,62.4 54.785,49.265 80.035,49.265 v1(92.55,36.75)
SERVO_PWM_5_2: R75_B2.2 U7.17 | length 85.6
  L01-SIG w0.254: v1(63.6,75.625) 64.979,75.625 R75_B2.2@65.011,75.657 ; U7.17@105.825,33.776 105.898,33.703 109.047,33.703 110.625,32.125 v1(110.625,28.35)
  L04-SIG w0.254: v1(63.6,75.625) 63.6,66.625 75.35,54.875 81.75,54.875 100.4,36.225 100.4,31.05 103.125,28.325 110.6,28.325 v1(110.625,28.35)
SERVO_PWM_5_3: R75_B3.2 U7.22 | length 48.8
  L01-SIG w0.254: v1(90.025,75.65) 91.354,75.65 R75_B3.2@91.361,75.657 ; U7.22@105.825,37.026 105.838,37.013 107.437,37.013 v1(107.45,37)
  L04-SIG w0.254: v1(90.025,75.65) 90.025,57.875 106.625,41.275 106.625,37.825 v1(107.45,37)
SERVO_PWM_5_OUT_B1: J23_B1.1 R75_B1.1 | length 3.2
  L01-SIG w0.254: J23_B1.1@38.55,80.435 38.561,80.424 R75_B1.1@38.561,77.257
SERVO_PWM_5_OUT_B2: J23_B2.1 R75_B2.1 | length 3.4
  L01-SIG w0.254: J23_B2.1@65,80.62 65.011,80.609 R75_B2.1@65.011,77.257
SERVO_PWM_5_OUT_B3: J23_B3.1 R75_B3.1 | length 3.2
  L01-SIG w0.254: J23_B3.1@91.35,80.485 91.361,80.474 R75_B3.1@91.361,77.257
SUSPEND: SUSPEND.1 U6.3 | length 9.2
  L01-SIG w0.254: U6.3@81.25,25.355 81.25,27.725 80.175,28.8 80.175,31.471 81.429,32.725 SUSPEND.1@82.275,32.725
TX_LED: R28.1 U6.2 | length 3.2
  L01-SIG w0.254: U6.2@81.9,25.355 81.9,28.579 R28.1@81.914,28.593
UART_CTS: J10.2 R32.2 | length 18.9
  L01-SIG w0.254: J10.2@76,13 76.05,13 77.475,14.425 v1(77.475,15.525) ; v1(88.718,15.632) R32.2@88.718,16.801
  L04-SIG w0.254: v1(77.475,15.525) 77.475,17.225 78.65,18.4 81.65,18.4 84.45,15.6 88.686,15.6 v1(88.718,15.632)
UART_CTS_N: R32.1 U6.21 | length 12.4
  L01-SIG w0.254: U6.21@78,18.555 78,16.15 78.725,15.425 85.692,15.425 87.068,16.801 R32.1@87.118,16.801
UART_DSR: U6.8 UART_DSR.1 | length 8.5
  L01-SIG w0.254: UART_DSR.1@75.2,32.725 75.2,29.912 78,27.112 U6.8@78,25.355
UART_DTR: Q3.3 R34.2 U6.5 UART_DTR.1 | length 27.9
  L01-SIG w0.254: v1(79.925,27.625) 79.937,27.613 79.937,25.367 U6.5@79.95,25.355 ; v1(93.925,21.3) 93.25,20.625 UART_DTR.1@93.25,18.2 93.707,18.657 R34.2@96.361,18.657 97.457,18.657 97.945,19.145 Q3.3@97.946,19.677 Q3.3@97.946,19.677
  L04-SIG w0.254: v1(79.925,27.625) 83.375,27.625 86.25,24.75 90.475,24.75 v1(93.925,21.3)
UART_RTS: J10.6 Q2.3 R35.2 U6.24 UART_RTS.1 | length 33
  L01-SIG w0.254: U6.24@79.95,18.555 79.95,17.062 80.053,16.958 80.053,16.872 v1(80.1,16.825) ; v1(92.75,21.275) 93.275,21.8 93.275,24.375 UART_RTS.1@93.25,24.4 95.7,24.4 96.35,23.75 R35.2@96.35,23.7 96.45,23.8 Q2.3@97.95,23.8
  L04-SIG w0.254: v1(80.1,16.825) 82.4,14.525 82.4,12.225 83,11.625 84.95,11.625 86.16,12.835 J10.6@86.16,13 88.825,13 92.75,16.925 v1(92.75,21.275)
UART_RX_ESP_TO_CY7: J10.4 U3.21 U6.4 | length 104.1
  L01-SIG w0.254: U6.4@80.6,25.355 v1(80.6,26.85) ; J10.4@81.08,13 82.755,14.675 87.25,14.675 89.875,12.05 145.375,12.05 153.8,20.475 155.675,20.475 156.313,21.113 156.313,23.488 U3.21@156.325,23.5
  L04-SIG w0.254: v1(80.6,26.85) 80.6,24.1 75.675,19.175 75.675,16.075 76.85,14.9 79.18,14.9 J10.4@81.08,13
UART_TX_ESP_TO_CY7: J10.5 R30.2 U3.22 | length 93.9
  L01-SIG w0.254: J10.5@83.62,13 85.57,11.05 145.6,11.05 154.175,19.625 156.625,19.625 158.325,21.325 U3.22@158.325,23.5 ; R30.2@88.718,18.601 88.794,18.525 89.825,18.525 90.25,18.1 v1(90.25,17.45)
  L04-SIG w0.254: J10.5@83.62,13 85.12,14.5 89.125,14.5 90.25,15.625 v1(90.25,17.45)
UART_TX_N: R30.1 U6.23 | length 11
  L01-SIG w0.254: U6.23@79.3,18.555 79.3,16.6 79.825,16.075 84.542,16.075 87.068,18.601 R30.1@87.118,18.601
USB_DN: R29.2 U6.15 | length 59.1
  L01-SIG w0.254: R29.2@20.343,27.261 20.393,27.261 20.766,26.888 20.766,26.838 21.036,26.568 v1(22.022,26.568) ; U6.15@74.1,18.555 v1(74.1,20.5)
  L04-SIG w0.254: v1(22.022,26.568) 22.022,26.528 26.85,21.7 73.825,21.7 74.075,21.45 74.075,20.525 v1(74.1,20.5)
USB_DN_n: J9.2 R29.1 | length 5
  L01-SIG w0.254: J9.2@14.14,26.67 14.615,26.67 14.76,26.525 17.957,26.525 18.693,27.261 R29.1@18.743,27.261
USB_DP: R31.2 U6.14 | length 58.7
  L01-SIG w0.254: R31.2@20.343,25.486 20.393,25.486 20.766,25.859 20.766,25.876 20.915,26.025 23.265,26.025 23.426,25.864 v1(23.492,25.864) ; U6.14@74.1,25.355 74.112,25.342 74.112,23.263 v1(74.125,23.25)
  L04-SIG w0.254: v1(23.492,25.864) 27.253,22.104 73.75,22.104 74.125,22.479 v1(74.125,23.25)
USB_DP_n: J9.3 R31.1 | length 4.8
  L01-SIG w0.254: J9.3@14.14,26.02 14.168,26.048 18.131,26.048 18.693,25.486 R31.1@18.743,25.486
USB_ID: J9.4
USB_WAKE: C19.2 R33.2 S1.3 S1.4 U6.22 | length 21.8
  L01-SIG w0.254: S1.4@67.46,30.75 S1.3@67.46,25.5 67.686,25.274 69.344,25.274 C19.2@69.345,25.273 69.353,25.265 71.153,25.265 R33.2@71.161,25.257 72,24.418 72,22.525 72.6,21.925 77.575,21.925 78.65,20.85 U6.22@78.65,18.555
VBUS: R25.1 U6.7 | length 3.2
  L01-SIG w0.254: R25.1@78.639,28.568 78.65,28.557 U6.7@78.65,25.355
VBUS_USB: D3.1 D12.2 J9.1 R25.2 | length 70.7
  L01-SIG w0.254: J9.1@14.14,27.32 16.195,27.32 19.425,30.55 48.075,30.55 50.465,32.94 D12.2@50.465,34.4 50.51,34.355 51.945,34.355 D3.1@51.99,34.31 51.995,34.305 51.995,33.03 v1(52,33.025) ; v1(77.3,30.125) 78.446,30.125 R25.2@78.514,30.193
  L04-SIG w0.254: v1(52,33.025) 54.9,30.125 v1(77.3,30.125)
VCFG: R27.1 U6.26 | length 9.1
  L01-SIG w0.254: U6.26@81.25,18.555 81.25,17.025 81.575,16.7 83.367,16.7 87.068,20.401 R27.1@87.118,20.401
pads on no net: J1.MH0 J1.MH1 J3.MH0 J3.MH1 J4. J4.9 J4.10 J4.11 J4.12 M1.1 M2.1 M3.1 M4.1 U2.4 U3.9 U3.10 U3.11 U3.12 U3.13 U3.14 U5.3 U6.6 U6.9 U6.10 U6.11 U6.12 U6.17 U6.18 U6.19 U6.20 U6.25

## Polygon pours and split planes (outlines as drawn)
GND on L01-SIG "GND_L01_P053" (solid, remove dead copper, pour order 53): 15.1,10 cw(c15.1,15.1) 10,15.1 10,84.9 cw(c15.1,84.9) 15.1,90 15.101,90 154.899,90 154.9,90 cw(c154.9,84.9) 160,84.9 160,59.4 160,20.125 160,15.05 cw(c154.9,15.1) 154.9,10
3V3 on L01-SIG "3V3_L01_P050" (solid, remove dead copper, pour order 50): 61.85,36.2 62.05,36 62.9,36 63.4,35.5 63.4,32.225 62.875,31.7 58.95,31.7 58.475,31.225 58.475,26.275 59.475,25.275 63.875,25.275 64.7,26.1 64.7,36.475 64.45,36.725 62.1,36.725 61.85,36.475
5V on L01-SIG "5V_L01_P048" (solid, remove dead copper, pour order 48): 50.3,37.05 50,36.75 50,36.075 50.175,35.9 58.65,35.9 58.95,36.2 59.975,36.2 60.125,36.35 60.125,37.325 62.675,39.875 62.675,45 62.025,45.65 57.9,45.65 57.125,44.875 57.125,42.375 56.025,41.275 51.75,41.275 50.3,39.825
12V on L01-SIG "12V_L01_P043" (solid, remove dead copper, pour order 43): 19.95,67.8 21.375,66.375 23.15,66.375 25.65,63.875 25.65,39.95 27.575,38.025 37.011,38.025 37.21,38.224 37.21,38.74 36.999,38.95 31.675,38.95 31.55,39.075 30.6,40.025 30.6,44.8 33.05,47.25 131.2,47.25 151.05,67.1 151.05,70.075 149.9,71.225 147.025,71.225 130.7,54.9 37.65,54.9 36.05,56.5 36.05,63.9 27.975,71.975 21.2,71.975 19.95,70.725
12V on L01-SIG "12V_L01_P047" (solid, remove dead copper, pour order 47): 100.939,64.908 100.889,64.858 100.889,64.633 102.064,63.458 102.064,55.508 101.189,54.633 110.389,54.633 109.014,56.008 109.014,63.558 107.664,64.908
12V on L01-SIG "12V_L01_P046" (solid, remove dead copper, pour order 46): 74.589,65.043 74.539,64.993 74.539,64.768 75.714,63.593 75.714,55.643 74.839,54.768 84.039,54.768 82.664,56.143 82.664,63.693 81.314,65.043
6V_BUS3 on L01-SIG "6V_BUS3_L01_P045" (solid, pour order 45): 109.075,79.09 109.075,73.85 107.6,72.375 107.6,70.765 108.14,70.225 108.65,70.225 111.375,72.95 111.375,82.975 110.184,84.166 90.57,84.166 90.083,83.699 90.083,82.116 90.358,81.841 108.849,81.841 109.075,81.615
6V_BUS1 on L01-SIG "6V_BUS1_L01_P044" (solid, pour order 44): 37.77,84.116 37.761,84.125 31.65,84.125 31.275,83.75 31.275,82.2 31.684,81.791 56.049,81.791 56.275,81.565 56.275,79.04 56.275,73.95 54.8,72.475 54.8,70.715 55.275,70.24 55.59,70.24 58.875,73.525 58.875,83.125 57.884,84.116
12V on L01-SIG "12V_L01_P007" (solid, remove dead copper, pour order 7): 48.139,64.858 48.089,64.808 48.089,64.583 49.264,63.408 49.264,55.458 48.389,54.583 57.589,54.583 56.214,55.958 56.214,63.508 54.864,64.858
6V_BUS1 on L01-SIG "6V_BUS1_L01_P010" (solid, pour order 10): 49.9,69.975 55.325,69.975 55.675,70.325 55.675,71.6 54.8,72.475 38.075,72.475 37.55,71.95 37.55,71.05 37.95,70.65 49.225,70.65
6V_SW_B1 on L01-SIG "6V_SW_B1_L01_P011" (solid, remove dead copper, pour order 11): 47.825,65.132 47.957,64.995 54.545,64.995 55.25,65.7 55.25,66.75 54.925,67.075 54.925,67.15 50.228,67.15 48.429,65.351 47.951,65.351 47.825,65.225
5V_BUCK on L01-SIG "5V_BUCK_L01_P026" (solid, remove dead copper, pour order 26): 39.775,34.725 40.05,34.45 40.475,34.45 40.75,34.725 40.75,35.075 41.6,35.925 46.775,35.925 46.775,37.525 45.3,39 40.175,39 39.775,38.6 39.775,37.55
5V_SW on L01-SIG "5V_SW_L01_P025" (solid, pour order 25): 37.375,38.675 37.375,34.725 37.8,34.3 38.25,34.3 38.4,34.45 38.4,37.075 37.775,37.7 37.775,38.675 37.675,38.775 37.475,38.775
6V_SW_B3 on L01-SIG "6V_SW_B3_L01_P023" (solid, remove dead copper, pour order 23): 100.659,65.187 100.791,65.051 107.379,65.051 108.084,65.756 108.084,66.806 107.759,67.131 107.759,67.206 103.061,67.206 101.263,65.407 100.785,65.407 100.659,65.281
6V_SW_B2 on L01-SIG "6V_SW_B2_L01_P022" (solid, remove dead copper, pour order 22): 74.329,65.217 74.461,65.08 81.05,65.08 81.754,65.785 81.754,66.835 81.429,67.16 81.429,67.235 76.732,67.235 74.933,65.436 74.456,65.436 74.329,65.31
6V_BUS3 on L01-SIG "6V_BUS3_L01_P020" (solid, pour order 20): 102.883,69.875 108.308,69.875 108.658,70.225 108.658,71.45 107.733,72.375 91.058,72.375 90.533,71.85 90.533,70.95 90.933,70.55 102.208,70.55
6V_BUS2 on L01-SIG "6V_BUS2_L01_P019" (solid, pour order 19): 76.404,70.06 81.829,70.06 82.179,70.41 82.179,71.635 81.254,72.56 64.579,72.56 64.054,72.035 64.054,71.135 64.454,70.735 75.729,70.735
6V_BUS2 on L01-SIG "6V_BUS2_L01_P014" (solid, pour order 14): 82.725,79.225 82.725,74.034 81.25,72.559 81.25,70.9 81.725,70.425 82.175,70.425 85.125,73.375 85.125,83.075 84.025,84.175 64.288,84.175 63.733,83.643 63.733,82.251 64.234,81.75 82.725,81.75
GND on L02-GND "GND_L02_P033" (solid, remove dead copper, pour order 33): 15.1,10 cw(c15.1,15.1) 10,15.1 10,84.9 cw(c15.1,84.9) 15.1,90 15.101,90 154.899,90 154.9,90 cw(c154.9,84.9) 160,84.9 160,59.4 160,20.125 160,15.05 cw(c154.9,15.1) 154.9,10
3V3 on L03-PWR "3V3_L03_P051" (solid, remove dead copper, pour order 51): 139.75,65.85 142.35,68.45 142.35,76.775 146.775,81.2 149.1,81.2 149.475,80.825 149.475,79.4 149.1,79.025 147.3,79.025 144.575,76.3 144.575,40.55 136.8,32.775 136.8,19.725 131.95,14.875 70.05,14.875 58.15,26.775 58.15,31 58.175,31 59.525,32.35 118.775,32.35 123.775,37.35 123.775,63.875 125.75,65.85
GND on L03-PWR "GND_L03_P054" (solid, remove dead copper, pour order 54): 15.1,10 cw(c15.1,15.1) 10,15.1 10,84.9 cw(c15.1,84.9) 15.1,90 15.101,90 154.899,90 154.9,90 cw(c154.9,84.9) 160,84.9 160,59.4 160,20.125 160,15.05 cw(c154.9,15.1) 154.9,10
5V on L03-PWR "5V_L03_P052" (solid, remove dead copper, pour order 52): 130.6,79.15 122.35,70.9 122.35,37.5 118.3,33.45 52.5,33.45 49.85,36.1 49.85,44.1 52.1,46.35 52.1,46.375 109.575,46.375 109.6,46.35 115.625,52.375 115.625,83.475 116.425,84.275 129.6,84.275 130.6,83.275
GND on L04-SIG "GND_L04_P055" (solid, remove dead copper, pour order 55): 15.1,10 cw(c15.1,15.1) 10,15.1 10,84.9 cw(c15.1,84.9) 15.1,90 15.101,90 154.899,90 154.9,90 cw(c154.9,84.9) 160,84.9 160,59.4 160,20.125 160,15.05 cw(c154.9,15.1) 154.9,10

## Silkscreen, mask and mechanical layers (free items; w line width, h text height)
Top Overlay:
  drawing of 17 lines, arcs and shapes, not listed
  text "GND" at 27.65,85.075 h1
  text "6V" at 28.05,82.375 h1
  text "PWM" at 27.35,79.875 h1
  text "BALL DEP. REC" at 116.5,78.15 h1 r270
  text "BALL QUEUE REC" at 120.47,78.15 h1 r270
  text "LASER EMITTER #1" at 124.533,78.15 h1 r270
  text "LASER EMITTER #2" at 128.483,78.15 h1 r270
  text "BALL HOLE L.S." at 134.025,78.15 h1 r270
  text "GUTTER L.S. #1" at 137.983,78.15 h1 r270
  text "GUTTER L.S. #2" at 141.983,78.15 h1 r270
  text "Servo In" at 29.975,73.15 h1
  text "4" at 38.15,73.15 h1
  text "3" at 42.225,73.15 h1
  text "2" at 46.275,73.15 h1
  text "1" at 50.35,73.15 h1
  text "0" at 54.275,73.15 h1
  text "9" at 64.625,73.15 h1
  text "8" at 68.699,73.15 h1
  text "7" at 72.699,73.15 h1
  text "6" at 76.599,73.15 h1
  text "5" at 80.599,73.15 h1
  text "14" at 90.625,73.15 h1
  text "13" at 94.625,73.15 h1
  text "12" at 98.625,73.15 h1
  text "11" at 102.725,73.15 h1
  text "10" at 106.625,73.15 h1
  text "6V BUS2" at 82.95,71.585 h1 r270
  text "6V BUS3" at 109.3,71.45 h1 r270
  text "6V BUS1" at 56.5,71.4 h1 r270
  text "3V3" at 130.825,62.025 h1
  text "5V" at 113.7,61.925 h1
  text "GND" at 112.875,58.1 h1
  text "SDA" at 142.375,57.8 h1
  text "SCL" at 142.425,48 h1
  text "5V" at 49.2,44.525 h0.75
  text "IN5" at 123.275,37.55 h1
  text "IN1" at 127.575,37.55 h1
  text "IN6" at 123.275,35.675 h1
  text "IN2" at 127.55,35.675 h1
  text "IN7" at 123.275,33.725 h1
  text "IN3" at 127.575,33.725 h1
  text "IN4" at 127.575,31.875 h1
  text "NRST" at 116.95,30.4 h1
  text "3V3" at 48.375,25.375 h0.75
  text "PuttPilot Master Control | January 2025 / Ethan Abraham / Christopher Chung / Ria Narang / Nicholas Rampertab / Aidan Wilson" at 18.933,12.725 h2
  text "GND" at 72.475,10.425 h0.75
  text "CTS" at 75.075,10.425 h0.75
  text "5V" at 77.9,10.425 h0.75
  text "RX" at 80.525,10.425 h0.75
  text "TX" at 83.075,10.425 h0.75
  text "RTS" at 85.4,10.425 h0.75
Bottom Overlay:
  drawing of 12 lines, arcs and shapes, not listed
  text "PuttPilot Master Control | January 2025 / Ethan Abraham / Christopher Chung / Ria Narang / Nicholas Rampertab / Aidan Wilson" at 24.05,34.108 h2 r270
M1 Board Outline:
  lines w0.254: 154.899,90 24.55,90 15.101,90 ccw(c15.1,84.9) 10,84.9 10,15.1 ccw(c15.1,15.1) 15.1,10 154.9,10 ccw(c154.9,15.1) 160,15.05 160,20.125 160,59.4 160,84.9 ccw(c154.9,84.9) 154.9,90

## Text inside footprints (layer, text, board x,y; h text height)
C30_B1: Top Overlay "+" at 58.656,84.275 h0.5; Top Overlay "+" at 58.656,81.855 h0.5 r180; Top Overlay "+" at 56.695,83.348 h0.5 r180; Top Overlay "-" at 61.15,84.108 h0.5; Top Overlay "-" at 61.15,82.022 h0.5 r180
C30_B2: Top Overlay "+" at 84.881,84.3 h0.5; Top Overlay "+" at 84.881,81.88 h0.5 r180; Top Overlay "+" at 82.92,83.373 h0.5 r180; Top Overlay "-" at 87.375,84.133 h0.5; Top Overlay "-" at 87.375,82.047 h0.5 r180
C30_B3: Top Overlay "+" at 111.131,84.225 h0.5; Top Overlay "+" at 111.131,81.805 h0.5 r180; Top Overlay "+" at 109.17,83.298 h0.5 r180; Top Overlay "-" at 113.625,84.058 h0.5; Top Overlay "-" at 113.625,81.972 h0.5 r180
J9: M1 Board Outline "PCB EDGE" at 9.89,33.22 h0.3 r270
U3: Top 3D Body "CUTOUT POLYGON" at 165.64,37.547 h0.25 r270; Top 3D Body "ANTENNA AREA" at 166.148,37.547 h0.25 r270